# KiCad board ENV_KB_RGB.kicad_pcb (continued)
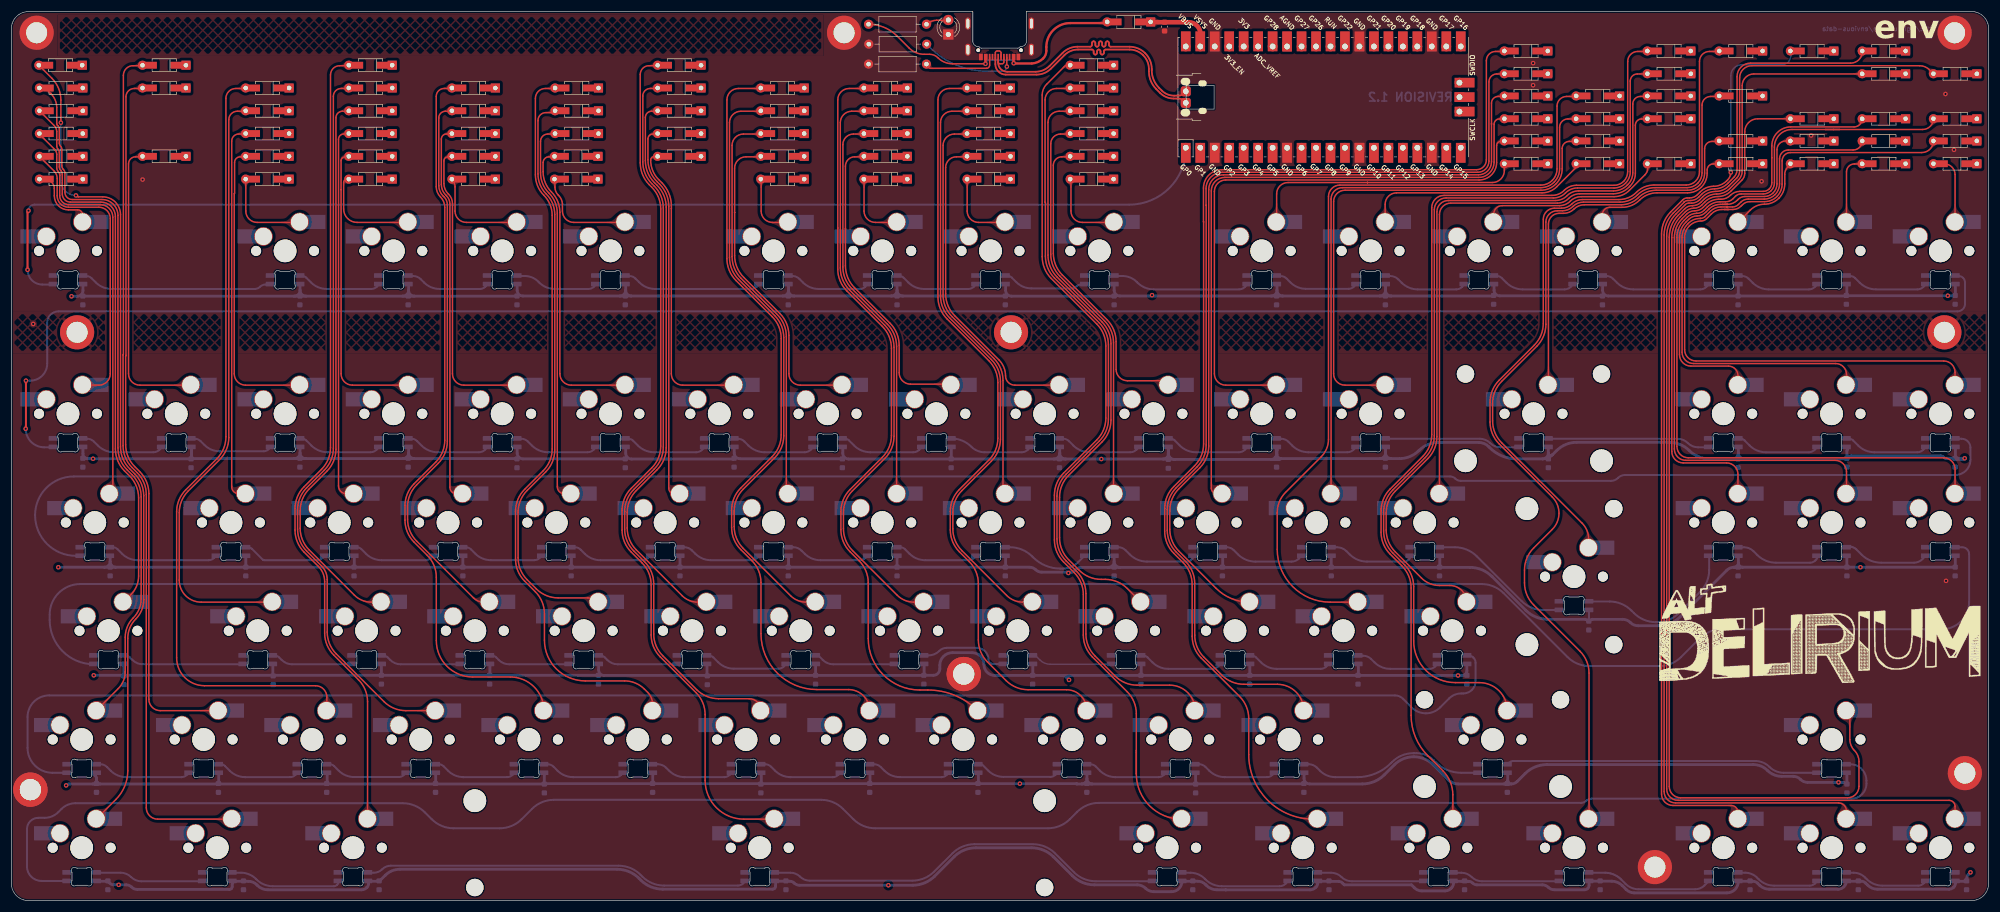
[diagram p0: board, top side]
## Routing (per net, layer and track width the routed paths; a pad name or vN(x,y) marks a point on that pad's centre or on a via; arc(x,y) is an arc through that point) (continued)
Net-(D45-Pad2): length 98.2
  Top w0.25: 250.62,71.45 250.62,120.48 arc(251.21,121.89) 252.62,122.48 271.33,122.48 arc(272.39,122.69) 273.3,123.29 arc(274.21,123.9) 275.28,124.11 281.1,124.11 arc(282.6,124.41) 283.86,125.26 284.08,125.47 arc(284.77,126.5) 285.01,127.71 285.01,136.16 arc(285.33,136.93) 286.1,137.25 287.19,137.25
Net-(D47-Pad2): length 89.9
  Top w0.25: 303.01,71.45 303.01,74.85 arc(302.42,76.27) 301.01,76.85 293.4,76.85 arc(291.99,77.44) 291.4,78.85 291.4,116.43 arc(291.79,118.4) 292.91,120.07 293.81,120.98 arc(294.48,121.42) 295.26,121.58 arc(296.04,121.73) 296.7,122.17 297.21,122.68 arc(298.26,123.38) 299.49,123.62 arc(300.72,123.87) 301.76,124.57 303.72,126.52 arc(304.07,127.06) 304.2,127.69 304.2,134.99 arc(304.87,136.61) 306.5,137.28 D47.2
Net-(D48-Pad2): length 120.3
  Top w0.25: 322.06,71.45 322.06,75.3 arc(321.47,76.72) 320.06,77.3 293.85,77.3 arc(292.44,77.89) 291.85,79.3 291.85,116.43 arc(292.21,118.23) 293.22,119.75 293.99,120.52 arc(294.66,120.97) 295.45,121.12 arc(296.25,121.28) 296.92,121.73 297.4,122.21 arc(298.44,122.91) 299.67,123.15 300.02,123.15 arc(300.92,123.33) 301.69,123.84 arc(302.45,124.35) 303.35,124.53 307.45,124.53 arc(308.03,124.64) 308.52,124.97 arc(308.84,125.46) 308.96,126.04 308.96,132.51 arc(309.93,134.87) 312.29,135.85 323.38,135.85 arc(324.39,136.27) D48.2
Net-(D49-Pad2): length 153.3
  Top w0.25: 320.81,135.4 319.81,135.4 arc(319.81,135.4) 319.81,135.4 ; 320.81,135.4 335.43,135.4 arc(336.76,135.95) D49.2 ; 320.81,135.4 318.37,135.4 ; 341.11,71.45 341.11,75.76 arc(340.52,77.17) 339.11,77.75 294.3,77.75 arc(292.89,78.34) 292.3,79.75 292.3,116.43 arc(292.62,118.06) 293.54,119.43 294.1,119.99 arc(294.86,120.5) 295.75,120.67 295.77,120.67 arc(296.47,120.81) 297.07,121.21 297.62,121.77 arc(298.65,122.46) 299.87,122.7 300.83,122.7 arc(301.54,122.84) 302.14,123.24 302.57,123.68 arc(303.02,123.97) 303.55,124.08 307.45,124.08 arc(308.2,124.23) 308.83,124.65 arc(309.26,125.29) 309.41,126.04 309.41,132.3 arc(310.31,134.49) 312.5,135.4 318.37,135.4 ; 318.37,135.4 319.81,135.4 ; 319.81,135.4 arc(319.81,135.4) 319.81,135.4
Net-(D50-Pad2): length 97.5
  Top w0.25: D50.2 7.51,136.09 arc(7.84,135.59) 7.96,135.01 7.96,132.49 arc(8.02,132.19) 8.18,131.95 arc(8.35,131.7) 8.41,131.4 8.41,128.83 arc(8.48,128.49) 8.67,128.2 arc(8.87,127.91) 8.93,127.56 8.93,124.06 arc(9.35,123.06) 10.34,122.65 15.71,122.65 arc(17.51,121.91) 18.25,120.11 18.25,79.31 arc(18.66,77.23) 19.84,75.46 20.73,74.57 arc(21.91,72.81) 22.32,70.73 22.32,56.99 arc(21.98,55.23) 20.98,53.75 19.64,52.41
Net-(D51-Pad2): length 106.4
  Top w0.25: 45.84,52.41 33.31,52.41 arc(30.58,53.54) 29.45,56.27 29.45,68.09 arc(29.86,70.17) 31.04,71.94 36.56,77.45 arc(37.74,79.22) 38.15,81.3 38.15,137.11 arc(38.59,138.16) 39.65,138.6 41.14,138.6
Net-(D52-Pad2): length 97.6
  Top w0.25: 59.24,138.6 58.1,138.6 arc(57.29,138.27) 56.96,137.46 56.96,79.24 arc(56.54,77.16) 55.36,75.39 52.27,72.3 arc(51.09,70.53) 50.68,68.45 50.68,65.41 arc(51.09,63.33) 52.27,61.56 60.2,53.63 arc(61.56,52.72) 63.16,52.41 64.89,52.41
Net-(D53-Pad2): length 96.7
  Top w0.25: 77.34,138.6 76.17,138.6 arc(75.35,138.26) 75.01,137.43 75.01,125.53 arc(75.2,124.56) 75.75,123.73 75.96,123.52 arc(76.37,122.92) 76.51,122.21 76.51,80.64 arc(76.09,78.56) 74.91,76.79 71.12,73 arc(69.94,71.23) 69.53,69.15 69.53,66.97 arc(69.94,64.89) 71.12,63.13 81.1,53.15 arc(81.92,52.6) 82.89,52.41
Net-(D54-Pad2): length 101.4
  Top w0.25: 95.2,138.37 93.81,138.37 arc(92.82,137.96) 92.41,136.97 92.41,127.61 arc(92.8,125.68) 93.89,124.05 arc(94.98,122.42) 95.36,120.49 95.36,79.12 arc(94.94,77.03) 93.76,75.27 90.52,72.02 arc(89.34,70.26) 88.92,68.18 88.92,60.18 arc(89.34,58.1) 90.52,56.34 92.11,54.75 arc(93.87,53.57) 95.95,53.16 101.17,53.16 arc(102.15,52.96) 102.99,52.41
Net-(D55-Pad2): length 98.6
  Top w0.25: 113.44,138.6 112.35,138.6 arc(111.58,138.28) 111.26,137.51 111.26,129.91 arc(111.68,127.83) 112.86,126.06 113.33,125.59 arc(114.5,123.83) 114.92,121.75 114.92,79.5 arc(114.5,77.42) 113.33,75.66 109.67,72 arc(108.49,70.23) 108.08,68.15 108.08,65.43 arc(108.49,63.35) 109.67,61.59 117.72,53.53 arc(118.97,52.7) 120.44,52.41 122.04,52.41
Net-(D56-Pad2): length 104.8
  Top w0.25: 141.09,52.41 139.48,52.41 arc(138,52.7) 136.74,53.54 128.44,61.84 arc(127.26,63.6) 126.85,65.68 126.85,68.4 arc(127.26,70.48) 128.44,72.25 133.96,77.76 arc(135.14,79.53) 135.55,81.61 135.55,98.88 arc(135.14,100.96) 133.96,102.73 127.62,109.06 arc(126.44,110.83) 126.02,112.91 126.02,136.6 arc(126.61,138.01) 128.02,138.6 131.54,138.6
Net-(D57-Pad2): length 103.6
  Top w0.25: 160.14,52.41 158.41,52.41 arc(156.81,52.72) 155.45,53.63 147.62,61.46 arc(146.44,63.23) 146.03,65.31 146.03,68.13 arc(146.44,70.21) 147.62,71.97 153.31,77.66 arc(154.49,79.43) 154.9,81.51 154.9,97.15 arc(154.49,99.24) 153.31,101 147.07,107.24 arc(145.89,109) 145.47,111.09 145.47,136.6 arc(146.06,138.01) 147.47,138.6 149.64,138.6
Net-(D58-Pad2): length 104.2
  Top w0.25: 167.74,138.6 165.06,138.6 arc(163.64,138.01) 163.06,136.6 163.06,106.18 arc(163.47,104.1) 164.65,102.33 171.98,95 arc(173.16,93.24) 173.57,91.15 173.57,81.01 arc(173.16,78.93) 171.98,77.16 166.82,72 arc(165.64,70.23) 165.22,68.15 165.22,65.28 arc(165.64,63.2) 166.82,61.44 174.67,53.58 arc(175.98,52.71) 177.52,52.41 179.19,52.41
Net-(D59-Pad2): length 104.9
  Top w0.25: 185.84,138.6 183.88,138.6 arc(182.49,138.03) 181.92,136.64 181.92,113.34 arc(182.33,111.26) 183.51,109.5 191.38,101.63 arc(192.56,99.86) 192.97,97.78 192.97,84.36 arc(192.56,82.28) 191.38,80.51 185.54,74.67 arc(184.36,72.91) 183.95,70.83 183.95,63.71 arc(184.36,61.63) 185.54,59.86 187.41,58 arc(189.17,56.82) 191.25,56.41 191.98,56.41 arc(194.06,55.99) 195.83,54.81 198.24,52.41
Net-(D60-Pad2): length 147.7
  Top w0.25: 262.09,141.2 260.92,141.2 arc(260.1,140.86) 259.76,140.03 259.76,136.37 arc(259.76,136.37) 259.76,136.37 259.76,129.74 arc(259.08,128.11) 257.46,127.44 212.71,127.44 arc(210.89,126.68) 210.13,124.86 210.13,79.82 arc(209.72,77.73) 208.54,75.97 204.89,72.32 arc(203.71,70.56) 203.3,68.48 203.3,65.21 arc(203.71,63.13) 204.89,61.36 211.42,54.83 arc(214.11,53.04) 217.29,52.41
Net-(D61-Pad2): length 143
  Top w0.25: 274.64,141.2 272.95,141.2 arc(271.75,140.71) 271.26,139.51 271.26,128.48 arc(271.04,127.39) 270.43,126.47 arc(269.5,125.85) 268.42,125.63 233.15,125.63 arc(231.74,125.05) 231.15,123.64 231.15,81 arc(230.82,79.35) 229.88,77.94 223.62,71.68 arc(222.53,70.05) 222.15,68.14 222.15,61.71 arc(224.88,55.13) 231.45,52.41 236.34,52.41
Net-(D62-Pad2): length 133
  Top w0.25: 287.19,141.2 285.87,141.2 arc(284.94,140.81) 284.56,139.89 284.56,127.79 arc(284.34,126.69) 283.72,125.76 283.57,125.61 arc(282.47,124.88) 281.18,124.62 275.06,124.62 arc(273.96,124.4) 273.02,123.77 arc(272.08,123.15) 270.97,122.93 252.17,122.93 arc(250.76,122.34) 250.17,120.93 250.17,81.46 arc(249.76,79.37) 248.58,77.61 242.87,71.9 arc(241.69,70.13) 241.27,68.05 241.27,65.08 arc(241.69,63) 242.87,61.24 247.47,56.63 arc(248.92,55.67) 250.62,55.33 252.46,55.33 arc(254.53,54.47) 255.39,52.41
Net-(D63-Pad2): length 114.1
  Top w0.25: 299.74,141.2 298.22,141.2 arc(297.15,140.76) 296.71,139.69 296.71,127.79 arc(296.51,126.8) 295.94,125.95 arc(295.1,125.38) 294.1,125.18 288.44,125.18 arc(286.78,124.85) 285.38,123.91 arc(283.97,122.98) 282.31,122.64 275.89,122.64 arc(274.9,122.45) 274.05,121.89 arc(273.21,121.32) 272.22,121.13 271.3,121.13 arc(269.88,120.54) 269.3,119.13 269.3,101.18 arc(268.89,99.1) 267.71,97.34 261.54,91.17 arc(260.36,89.41) 259.95,87.33 259.95,84.23 arc(260.36,82.15) 261.54,80.39 275.67,66.26 arc(276.5,65.01) 276.8,63.53 276.8,61.93
Net-(D64-Pad2): length 121.9
  Top w0.25: 14.88,33.35 18.76,37.24 arc(19.66,38.58) 19.97,40.16 19.97,46.25 arc(20.34,48.08) 21.37,49.63 arc(22.41,51.18) 22.77,53.01 22.77,70.91 arc(22.36,72.99) 21.18,74.76 20.29,75.65 arc(19.11,77.41) 18.7,79.5 18.7,120.3 arc(17.88,122.28) 15.9,123.1 10.68,123.1 arc(9.77,123.48) 9.39,124.39 9.39,127.74 arc(9.32,128.09) 9.12,128.38 arc(8.93,128.68) 8.86,129.02 8.86,131.92 arc(8.8,132.21) 8.63,132.46 arc(8.47,132.71) 8.41,133 8.41,135.51 arc(8.35,135.8) 8.18,136.05 8.03,136.2 arc(7.98,136.28) 7.96,136.38 7.96,139.23 arc(7.69,140.55) 6.95,141.67 D64.2
Net-(D65-Pad2): length 124.1
  Top w0.25: 36.31,33.35 26.13,33.35 arc(24.71,33.94) 24.13,35.35 24.13,71.47 arc(23.71,73.55) 22.53,75.32 21.64,76.21 arc(20.46,77.97) 20.05,80.05 20.05,95.6 arc(20.06,95.64) 20.08,95.67 arc(20.1,95.7) 20.11,95.74 20.11,141.13 arc(20.54,142.17) 21.57,142.6 23.04,142.6
Net-(D66-Pad2): length 138.5
  Top w0.25: 41.14,142.6 39.39,142.6 arc(38.16,142.09) 37.65,140.85 37.65,81.43 arc(37.23,79.35) 36.05,77.58 30.59,72.12 arc(29.41,70.36) 29,68.28 29,42.62 arc(30.43,39.17) 33.89,37.73 53.36,37.73 arc(54.77,37.15) 55.36,35.74 55.36,33.35
Net-(D67-Pad2): length 127.1
  Top w0.25: 59.24,142.6 57.87,142.6 arc(56.91,142.2) 56.51,141.23 56.51,79.43 arc(56.09,77.35) 54.91,75.58 51.82,72.49 arc(50.64,70.72) 50.22,68.64 50.22,65.22 arc(50.64,63.14) 51.82,61.37 54.45,58.74 arc(55.17,57.66) 55.43,56.39 55.43,47.16 arc(55.84,45.08) 57.02,43.31 65.38,34.95 arc(67.15,33.77) 69.23,33.35 74.41,33.35
Net-(D68-Pad2): length 129.7
  Top w0.25: 77.34,142.6 75.95,142.6 arc(74.97,142.19) 74.56,141.21 74.56,125.35 arc(74.75,124.37) 75.31,123.54 arc(75.86,122.71) 76.06,121.73 76.06,80.83 arc(75.64,78.75) 74.46,76.98 70.67,73.19 arc(69.49,71.42) 69.07,69.34 69.07,66.79 arc(69.49,64.71) 70.67,62.94 72.98,60.63 arc(74.16,58.86) 74.57,56.78 74.57,45.66 arc(76.45,41.14) 80.97,39.27 87.55,39.27 arc(91.73,37.53) 93.46,33.35
Net-(D69-Pad2): length 129.3
  Top w0.25: 95.44,142.6 93.7,142.6 arc(92.47,142.09) 91.96,140.86 91.96,127.42 arc(92.35,125.49) 93.44,123.86 arc(94.53,122.23) 94.91,120.31 94.91,79.3 arc(94.49,77.22) 93.31,75.46 90.07,72.21 arc(88.89,70.44) 88.47,68.36 88.47,59.96 arc(88.89,57.88) 90.07,56.11 91.96,54.22 arc(93.14,52.46) 93.55,50.38 93.55,45.74 arc(95.65,40.68) 100.71,38.58 107.63,38.58 arc(109.5,38.21) 111.08,37.15 111.67,36.56 arc(112.29,35.63) 112.51,34.54
Net-(D70-Pad2): length 128.4
  Top w0.25: 113.44,142.6 112.13,142.6 arc(111.2,142.22) 110.81,141.29 110.81,129.73 arc(111.23,127.64) 112.41,125.88 112.82,125.47 arc(114,123.7) 114.41,121.62 114.41,79.63 arc(114,77.55) 112.82,75.78 109.22,72.19 arc(108.04,70.42) 107.62,68.34 107.62,65.25 arc(108.04,63.17) 109.22,61.4 111.13,59.49 arc(112.31,57.72) 112.72,55.64 112.72,46.83 arc(113.14,44.75) 114.32,42.99 120.26,37.05 arc(122.02,35.87) 124.1,35.45 129.46,35.45 arc(130.95,34.84) 131.56,33.35
Net-(D71-Pad2): length 135.9
  Top w0.25: 131.54,142.6 127.57,142.6 arc(126.16,142.01) 125.57,140.6 125.57,112.72 arc(125.99,110.64) 127.17,108.88 133.51,102.54 arc(134.69,100.77) 135.1,98.69 135.1,81.8 arc(134.69,79.71) 133.51,77.95 127.99,72.44 arc(126.81,70.67) 126.4,68.59 126.4,65.5 arc(126.81,63.42) 127.99,61.65 129.96,59.69 arc(131.14,57.92) 131.55,55.84 131.55,46.88 arc(134.43,39.94) 141.37,37.06 146.91,37.06 arc(149.53,35.97) 150.61,33.35
Net-(D72-Pad2): length 133.8
  Top w0.25: 149.64,142.6 147.03,142.6 arc(145.61,142.01) 145.03,140.6 145.03,118.1 145.02,110.9 arc(145.44,108.82) 146.62,107.05 152.86,100.81 arc(154.04,99.05) 154.45,96.97 154.45,81.7 arc(154.04,79.61) 152.86,77.85 147.17,72.16 arc(145.99,70.39) 145.57,68.31 145.57,65.12 arc(145.99,63.04) 147.17,61.27 148.78,59.66 arc(149.96,57.9) 150.38,55.81 150.38,46.04 arc(153.03,39.63) 159.44,36.98 160.85,36.98 arc(165.57,36.04) K_72.2
Net-(D73-Pad2): length 135.1
  Top w0.25: 167.74,142.6 164.61,142.6 arc(163.19,142.01) 162.61,140.6 162.61,105.99 arc(163.02,103.91) 164.2,102.14 171.53,94.81 arc(172.71,93.05) 173.12,90.97 173.12,81.2 arc(172.71,79.11) 171.53,77.35 166.37,72.19 arc(165.19,70.42) 164.77,68.34 164.77,65.1 arc(165.19,63.02) 166.37,61.25 168.11,59.51 arc(169.29,57.75) 169.7,55.66 169.7,45.76 arc(170.11,43.68) 171.29,41.91 174.58,38.62 arc(176.35,37.44) 178.43,37.03 185.15,37.03 arc(187.67,35.99) 188.71,33.47
Net-(D74-Pad2): length 134.7
  Top w0.25: 185.84,142.6 183.41,142.6 arc(181.99,142.01) 181.41,140.6 181.41,122.66 arc(181.42,122.62) 181.44,122.59 arc(181.46,122.56) 181.47,122.52 181.47,113.16 arc(181.88,111.08) 183.06,109.31 190.93,101.44 arc(192.11,99.67) 192.52,97.59 192.52,84.55 arc(192.11,82.46) 190.93,80.7 185.09,74.86 arc(183.91,73.09) 183.5,71.01 183.5,63.51 arc(183.91,61.43) 185.09,59.66 186.98,57.77 arc(188.16,56.01) 188.58,53.93 188.58,46.81 arc(188.99,44.73) 190.17,42.96 193.71,39.42 arc(195.47,38.24) 197.55,37.83 203.29,37.83 arc(206.45,36.52) 207.76,33.35
Net-(D75-Pad2): length 178.4
  Top w0.25: 262.09,145.15 260.7,145.15 arc(259.72,144.74) 259.31,143.76 259.31,129.85 arc(258.73,128.46) 257.35,127.89 212.56,127.89 arc(210.51,127.04) 209.66,124.99 209.66,122.11 arc(209.66,122.1) 209.67,122.08 arc(209.68,122.07) 209.68,122.05 209.68,80 arc(209.27,77.92) 208.09,76.16 204.44,72.51 arc(203.26,70.74) 202.85,68.66 202.85,65.02 arc(203.26,62.94) 204.44,61.17 206.08,59.54 arc(207.26,57.77) 207.68,55.69 207.68,46.61 arc(208.09,44.53) 209.27,42.76 212.46,39.57 arc(214.22,38.39) 216.3,37.98 222.19,37.98 arc(225.46,36.63) 226.81,33.35
Net-(D76-Pad2): length 160.9
  Top w0.25: 286.61,145.15 285.36,145.15 arc(284.47,144.78) 284.11,143.9 284.11,127.98 arc(283.89,126.89) 283.27,125.96 arc(282.34,125.34) 281.25,125.13 274.85,125.13 arc(273.71,124.9) 272.74,124.25 arc(271.76,123.6) 270.62,123.38 251.78,123.38 arc(250.33,122.77) 249.72,121.32 249.72,81.64 arc(249.31,79.56) 248.13,77.8 242.42,72.09 arc(241.24,70.32) 240.82,68.24 240.82,64.9 arc(241.24,62.82) 242.42,61.05 244.51,58.96 arc(245.69,57.2) 246.1,55.11 246.1,45.59 arc(248.24,40.42) 253.41,38.28 257.6,38.28 arc(261.09,36.84) 262.53,33.35
Net-(D77-Pad2): length 200.4
  Top w0.25: 322.65,32.07 322.65,28.29 arc(322.86,27.24) 323.45,26.35 arc(324.04,25.47) 324.25,24.42 324.25,20.05 arc(323.66,18.64) 322.25,18.06 292.95,18.06 arc(291.54,18.64) 290.95,20.05 290.95,116.49 arc(291.36,118.58) 292.54,120.34 293.68,121.48 arc(294.29,121.88) 295,122.03 295.07,122.03 arc(295.85,122.18) 296.52,122.62 297.03,123.13 arc(298.07,123.83) 299.3,124.07 arc(300.53,124.32) 301.58,125.02 303.12,126.56 arc(303.59,127.26) 303.75,128.08 303.75,143.1 arc(304.35,144.55) 305.8,145.15 324.84,145.15
Net-(D78-Pad2): length 145.6
  Top w0.25: D78.2 7.09,144.41 arc(8.27,142.64) 8.68,140.56 v1(8.68,136.58) ; 14.88,14.31 18.34,17.77 arc(19.88,20.08) 20.42,22.8 20.42,46.06 arc(20.79,47.89) 21.83,49.44 arc(22.86,50.99) 23.23,52.82 23.23,71.1 arc(22.81,73.18) 21.63,74.95 20.74,75.83 arc(19.56,77.6) 19.15,79.68 19.15,120.45 arc(18.24,122.66) 16.03,123.57 11.76,123.57 arc(11.59,123.6) 11.45,123.7 v1(11.33,123.82)
  Bottom w0.25: v1(8.68,136.58) 8.67,136.57 arc(8.66,136.56) 8.66,136.54 8.66,126.49 arc(9.44,124.61) v1(11.33,123.82)
Net-(D79-Pad2): length 150.3
  Top w0.25: 38.69,14.31 25.68,14.31 arc(24.26,14.89) 23.68,16.3 23.68,71.29 arc(23.26,73.37) 22.08,75.13 21.19,76.02 arc(20.01,77.79) 19.6,79.87 19.6,95.79 arc(19.61,95.83) 19.63,95.86 arc(19.65,95.89) 19.66,95.93 19.66,144.91 arc(20.15,146.1) 21.35,146.6 23.04,146.6
Net-(D80-Pad2): length 141.4
  Top w0.25: 59.24,146.6 57.62,146.6 arc(56.48,146.13) 56,144.98 56,79.56 arc(55.59,77.48) 54.41,75.71 51.37,72.67 arc(50.19,70.91) 49.77,68.82 49.77,65.04 arc(50.19,62.95) 51.37,61.19 53.88,58.67 arc(54.69,57.46) 54.97,56.04 54.97,46.97 arc(55.39,44.89) 56.57,43.12 60.91,38.78 arc(62.09,37.02) 62.5,34.94 62.5,14.31
Net-(D81-Pad2): length 152.4
  Top w0.25: 133.94,14.31 128.56,14.31 arc(123.74,16.3) 121.75,21.11 121.75,32.66 arc(121.34,34.75) 120.16,36.51 113.87,42.8 arc(112.69,44.57) 112.27,46.65 112.27,55.45 arc(111.86,57.54) 110.68,59.3 108.77,61.21 arc(107.59,62.98) 107.17,65.06 107.17,68.52 arc(107.59,70.61) 108.77,72.37 112.37,75.97 arc(113.55,77.74) 113.96,79.82 113.96,121.43 arc(113.55,123.52) 112.37,125.28 111.96,125.69 arc(110.78,127.46) 110.36,129.54 110.36,145.06 arc(110.81,146.15) 111.9,146.6 113.44,146.6
Net-(D82-Pad2): length 155.8
  Top w0.25: 197.43,22.26 197.43,26.35 ; 197.43,22.26 197.43,26.35 ; 197.43,22.26 arc(199.75,16.63) 205.38,14.31 ; D82.2 185.35,146.69 arc(185.06,146.63) 184.81,146.46 181.68,143.33 arc(181.1,142.47) 180.9,141.45 180.9,113.08 arc(181.32,111) 182.49,109.24 190.48,101.25 arc(191.66,99.48) 192.07,97.4 192.07,84.73 arc(191.66,82.65) 190.48,80.88 184.64,75.05 arc(183.46,73.28) 183.05,71.2 183.05,63.32 arc(183.46,61.24) 184.64,59.47 186.53,57.59 arc(187.71,55.82) 188.12,53.74 188.12,46.62 arc(188.54,44.54) 189.72,42.77 195.83,36.66 arc(197.01,34.9) 197.43,32.81 197.43,26.35
Net-(D83-Pad2): length 198.9
  Top w0.25: 262.09,149.1 260.47,149.1 arc(259.33,148.63) 258.86,147.49 258.86,130.08 arc(258.35,128.85) 257.11,128.34 212.43,128.34 arc(210.15,127.39) 209.21,125.12 209.21,119.21 arc(209.21,119.19) 209.22,119.18 arc(209.23,119.16) 209.23,119.15 209.23,80.19 arc(208.82,78.11) 207.64,76.34 203.99,72.7 arc(202.81,70.93) 202.4,68.85 202.4,64.84 arc(202.81,62.75) 203.99,60.99 205.63,59.35 arc(206.81,57.59) 207.22,55.5 207.22,46.42 arc(207.64,44.34) 208.82,42.57 215.56,35.84 arc(216.74,34.07) 217.15,31.99 217.15,25.67 arc(220.48,17.63) 228.51,14.31
Net-(D84-Pad2): length 175.9
  Top w0.25: 287.19,149.1 285.42,149.1 arc(284.17,148.58) 283.66,147.33 283.66,127.99 arc(283.48,127.08) 282.96,126.3 arc(282.18,125.78) 281.27,125.6 274.66,125.6 arc(273.5,125.37) 272.52,124.71 arc(271.54,124.06) 270.38,123.83 251.43,123.83 arc(249.9,123.19) 249.27,121.67 249.27,81.83 arc(248.86,79.75) 247.68,77.98 241.97,72.27 arc(240.79,70.51) 240.37,68.42 240.37,64.68 arc(240.79,62.6) 241.97,60.84 244.06,58.75 arc(245.24,56.98) 245.65,54.9 245.65,32.53 arc(246.42,28.69) 248.6,25.42 251.23,22.78 arc(252.52,20.86) 252.97,18.58 K_84.2
Net-(D85-Pad2): length 174.4
  Top w0.25: 299.74,149.1 298,149.1 arc(296.77,148.59) 296.26,147.36 296.26,127.98 arc(295.58,126.33) 293.93,125.65 288.28,125.65 arc(286.61,125.32) 285.2,124.37 arc(283.78,123.43) 282.11,123.1 275.7,123.1 arc(274.71,122.9) 273.87,122.34 arc(273.03,121.77) 272.03,121.58 270.79,121.58 arc(269.42,121.01) 268.85,119.63 268.85,101.37 arc(268.44,99.29) 267.26,97.52 261.09,91.36 arc(259.91,89.59) 259.5,87.51 259.5,84.05 arc(259.91,81.97) 261.09,80.2 270.42,70.87 arc(271.29,69.57) 271.6,68.02 arc(271.29,66.48) 270.42,65.17 267.14,61.9 arc(265.96,60.13) 265.55,58.05 265.55,55.78 arc(265.96,53.7) 267.14,51.94 275.28,43.8 arc(276.46,42.03) 276.88,39.95 276.88,14.36
Net-(D86-Pad2): length 161.5
  Top w0.25: v1(301.76,127.87) arc(301.62,127.17) 301.22,126.57 301.03,126.38 arc(299.97,125.67) 298.72,125.43 arc(297.48,125.18) 296.42,124.47 295.91,123.96 arc(295.26,123.53) 294.49,123.38 294.1,123.38 arc(293.69,123.29) 293.35,123.06 291.19,120.91 arc(290.01,119.14) 289.6,117.06 289.6,18.7 arc(290.19,17.29) 291.6,16.7 301.81,16.7 arc(302.66,16.35) 303.01,15.5
  Bottom w0.25: v1(301.76,127.87) 301.76,144.85 arc(302.32,146.2) 303.67,146.76 310.69,146.76 arc(311.82,147.23) 312.29,148.36 312.29,149.1
Net-(D87-Pad2): length 191.1
  Top w0.25: 324.84,149.1 arc(324.24,147.65) 322.79,147.05 305.22,147.05 arc(303.55,146.36) 302.85,144.68 302.85,128.34 arc(302.71,127.62) 302.3,127.02 301.21,125.92 arc(300.16,125.22) 298.92,124.97 arc(297.69,124.73) 296.64,124.03 296.13,123.52 arc(295.47,123.08) 294.69,122.93 294.22,122.93 arc(293.87,122.86) 293.58,122.66 arc(293.58,122.65) 293.57,122.65 arc(293.57,122.65) 293.57,122.64 291.64,120.71 arc(290.46,118.95) 290.05,116.87 290.05,19.15 arc(290.64,17.74) 292.05,17.15 320.64,17.15 arc(321.64,16.74) 322.06,15.73
Net-(D88-Pad2): length 221.1
  Top w0.25: 341.11,15.49 341.11,16.55 arc(340.8,17.3) 340.06,17.6 292.5,17.6 arc(291.09,18.19) 290.5,19.6 290.5,116.68 arc(290.91,118.76) 292.09,120.53 293.78,122.21 arc(294.07,122.41) 294.41,122.48 294.88,122.48 arc(295.66,122.63) 296.31,123.07 296.82,123.58 arc(297.87,124.28) 299.11,124.52 arc(300.35,124.77) 301.39,125.47 302.79,126.87 arc(303.17,127.43) 303.3,128.1 303.3,144.46 arc(303.93,145.97) 305.44,146.6 334.89,146.6 arc(335.82,146.41) 336.61,145.89 D88.2
Net-(LED1-Pad2): length 33.3
  Bottom w0.35: 45.46,108.17 44.57,108.17 arc(44.07,108.07) 43.64,107.78 arc(43.21,107.5) 42.71,107.4 17.57,107.4 arc(16.08,107.69) 14.82,108.53 14.08,109.27 arc(13.64,109.57) 13.12,109.67
Net-(LED2-Pad2): length 14.4
  Bottom w0.35: 64.51,108.17 64.12,107.78 arc(63.69,107.5) 63.19,107.4 55.34,107.4 arc(53.85,107.69) 52.59,108.53 51.74,109.39 arc(51.43,109.6) 51.06,109.67
Net-(LED3-Pad2): length 14.8
  Bottom w0.35: 69.71,109.67 70.5,109.67 arc(71.22,109.53) 71.84,109.11 72.42,108.53 arc(73.68,107.69) 75.17,107.4 82.24,107.4 arc(82.74,107.5) 83.17,107.78 83.56,108.17
Net-(LED4-Pad2): length 14.7
  Bottom w0.35: 102.61,108.17 102.22,107.78 arc(101.79,107.5) 101.29,107.4 95.37,107.4 arc(93.88,107.69) 92.62,108.53 92.45,108.71 arc(91.38,109.42) 90.12,109.67 88.76,109.67
Net-(LED5-Pad2): length 24.3
  Bottom w0.35: 107.81,109.67 108.45,109.67 arc(109.04,109.55) 109.54,109.22 110.22,108.53 arc(111.48,107.69) 112.97,107.4 129.86,107.4 arc(130.37,107.5) 130.8,107.78 131.18,108.17
Net-(LED6-Pad2): length 14.8
  Bottom w0.35: 150.23,108.17 149.85,107.78 arc(149.42,107.5) 148.91,107.4 141.67,107.4 arc(140.18,107.69) 138.92,108.53 138.28,109.17 arc(137.73,109.54) 137.09,109.67 136.38,109.67
Net-(LED7-Pad2): length 14.4
  Bottom w0.35: 169.28,108.17 168.9,107.78 arc(168.47,107.5) 167.96,107.4 160.17,107.4 arc(158.68,107.69) 157.42,108.53 156.59,109.37 arc(156.25,109.59) 155.86,109.67
Net-(LED8-Pad2): length 14.3
  Bottom w0.35: 188.33,108.17 187.7,108.17 arc(187.26,108.08) 186.89,107.83 arc(186.52,107.59) 186.08,107.5 178.99,107.5 arc(177.57,107.78) 176.37,108.58 175.57,109.39 arc(175.25,109.6) 174.88,109.67
Net-(LED10-Pad2): length 14.2
  Bottom w0.35: 235.96,108.17 235.58,107.8 arc(235.17,107.52) 234.68,107.42 227.19,107.42 arc(225.72,107.71) 224.47,108.55 223.79,109.23 arc(223.3,109.56) 222.73,109.67
Net-(LED10-Pad4): length 24.3
  Bottom w0.35: 216.91,108.17 216.49,107.75 arc(216.02,107.43) 215.47,107.33 200.48,107.33 arc(198.94,107.63) 197.64,108.5 197.51,108.63 arc(196.36,109.4) 195,109.67 193.53,109.67
Net-(LED11-Pad2): length 14.9
  Bottom w0.35: 241.16,109.67 241.99,109.67 arc(242.75,109.52) 243.4,109.08 243.99,108.5 arc(245.28,107.63) 246.82,107.33 253.57,107.33 arc(254.12,107.43) 254.59,107.75 255.01,108.17
Net-(LED12-Pad2): length 14.4
  Bottom w0.35: 274.06,108.17 273.64,107.75 arc(273.17,107.43) 272.62,107.33 265.22,107.33 arc(263.68,107.63) 262.39,108.5 261.57,109.31 arc(261.17,109.58) 260.71,109.67
Net-(LED13-Pad2): length 19.6
  Bottom w0.35: 297.87,108.17 297.45,107.75 arc(296.98,107.43) 296.43,107.33 284.62,107.33 arc(283.08,107.63) 281.79,108.5 281.09,109.19 arc(280.56,109.55) 279.94,109.67 279.26,109.67
Net-(LED14-Pad2): length 14.9
  Bottom w0.35: 303.07,109.67 303.74,109.67 arc(304.36,109.55) 304.89,109.2 305.59,108.5 arc(306.88,107.63) 308.42,107.33 315.48,107.33 arc(316.03,107.43) 316.5,107.75 316.92,108.17
Net-(LED15-Pad2): length 14.3
  Bottom w0.35: 335.97,108.17 335.55,107.75 arc(335.08,107.43) 334.53,107.33 327.22,107.33 arc(325.68,107.63) 324.39,108.5 323.6,109.28 arc(323.17,109.57) 322.67,109.67
Net-(LED16-Pad2): length 371.8
  Top w0.35: v1(2.55,91.29) 2.55,82.93 arc(2.55,82.9) 2.53,82.87 v1(2.51,82.85)
  Bottom w0.35: 7.36,79.59 5.76,79.59 arc(3.46,80.55) v1(2.51,82.85) ; v1(2.55,91.29) 3.3,91.29 arc(5.41,92.17) 6.28,94.28 6.28,101.47 arc(6.87,102.88) 8.28,103.47 341.54,103.47 arc(342.47,103.85) 342.86,104.78 342.86,108.53 arc(342.77,108.96) 342.52,109.33 arc(342.15,109.58) 341.71,109.67
Net-(LED17-Pad2): length 14.9
  Bottom w0.35: 12.56,81.09 13.27,81.09 arc(13.93,80.96) 14.49,80.59 15.17,79.91 arc(16.49,79.03) 18.03,78.73 24.92,78.73 arc(25.49,78.84) 25.97,79.16 26.41,79.59
Net-(LED18-Pad2): length 14.2
  Bottom w0.35: 45.46,79.59 45.11,79.25 arc(44.73,78.99) 44.27,78.9 36.54,78.9 arc(35.1,79.19) 33.89,80 33.21,80.68 arc(32.74,80.99) 32.2,81.09
Net-(LED19-Pad2): length 14.5
  Bottom w0.35: 64.51,79.59 64.07,79.16 arc(63.59,78.84) 63.02,78.73 55.5,78.73 arc(53.96,79.03) 52.64,79.91 51.74,80.81 arc(51.43,81.02) 51.06,81.09
Net-(LED20-Pad2): length 14.4
  Bottom w0.35: 83.56,79.59 83.12,79.16 arc(82.64,78.84) 82.07,78.73 74.83,78.73 arc(73.29,79.03) 71.97,79.91 71.17,80.71 arc(70.75,81) 70.25,81.09
Net-(LED21-Pad2): length 14.9
  Bottom w0.35: 102.61,79.59 102.17,79.16 arc(101.69,78.84) 101.12,78.73 94.21,78.73 arc(92.66,79.03) 91.35,79.91 90.66,80.6 arc(90.11,80.97) 89.46,81.09 88.76,81.09
Net-(LED22-Pad2): length 14.4
  Bottom w0.35: 121.66,79.59 121.22,79.16 arc(120.74,78.84) 120.17,78.73 112.81,78.73 arc(111.26,79.03) 109.95,79.91 109.1,80.76 arc(108.73,81.01) 108.29,81.09
Net-(LED23-Pad2): length 14.9
  Bottom w0.35: 126.86,81.09 127.51,81.09 arc(128.11,80.98) 128.62,80.63 129.35,79.91 arc(130.66,79.03) 132.21,78.73 139.22,78.73 arc(139.79,78.84) 140.27,79.16 140.71,79.59
Net-(LED24-Pad2): length 14.5
  Bottom w0.35: 159.76,79.59 159.32,79.16 arc(158.84,78.84) 158.27,78.73 150.75,78.73 arc(149.21,79.03) 147.89,79.91 146.99,80.81 arc(146.68,81.02) 146.31,81.09
Net-(LED25-Pad2): length 14.8
  Bottom w0.35: 178.81,79.59 178.37,79.16 arc(177.89,78.84) 177.32,78.73 170.8,78.73 arc(169.55,78.97) 168.48,79.69 arc(166.85,80.77) 164.93,81.16 LED25.2
Net-(LED26-Pad2): length 14.3
  Bottom w0.35: 197.86,79.59 197.42,79.16 arc(196.94,78.84) 196.37,78.73 189.23,78.73 arc(187.69,79.03) 186.37,79.91 185.61,80.68 arc(185.14,80.99) 184.6,81.09
Net-(LED27-Pad2): length 14.5
  Bottom w0.35: 216.91,79.59 216.47,79.16 arc(215.99,78.84) 215.42,78.73 207.9,78.73 arc(206.36,79.03) 205.04,79.91 204.14,80.81 arc(203.83,81.02) 203.46,81.09
Net-(LED28-Pad2): length 14.9
  Bottom w0.35: 222.11,81.09 222.85,81.09 arc(223.53,80.96) 224.11,80.57 224.77,79.91 arc(226.09,79.03) 227.63,78.73 234.47,78.73 arc(235.04,78.84) 235.52,79.16 235.96,79.59
Net-(LED29-Pad2): length 23.8
  Bottom w0.35: 241.16,81.09 257.7,81.09 arc(258.68,80.9) 259.51,80.34 arc(260.34,79.79) 261.32,79.59 264.53,79.59
Net-(LED30-Pad2): length 28.5
  Bottom w0.35: 297.87,79.59 296.02,79.59 arc(295.04,79.79) 294.21,80.34 arc(293.38,80.9) 292.4,81.09 269.73,81.09
Net-(LED31-Pad2): length 14.5
  Bottom w0.35: 316.92,79.59 316.49,79.16 arc(316,78.84) 315.44,78.73 307.92,78.73 arc(306.37,79.03) 305.06,79.91 304.15,80.81 arc(303.84,81.02) 303.47,81.09
Net-(LED32-Pad2): length 14.5
  Bottom w0.35: 335.97,79.59 335.54,79.16 arc(335.05,78.84) 334.49,78.73 326.97,78.73 arc(325.42,79.03) 324.11,79.91 323.2,80.81 arc(322.89,81.02) 322.52,81.09
Net-(LED33-Pad2): length 363.2
  Bottom w0.35: 341.17,81.09 342.25,81.09 arc(343.35,80.64) 343.81,79.54 343.81,77.38 arc(343.03,75.51) 341.16,74.73 283.21,74.73 arc(282.54,74.6) 281.97,74.22 arc(281.39,73.83) 280.72,73.7 254.35,73.7 arc(253.85,73.8) 253.41,74.09 arc(252.98,74.38) 252.47,74.48 10.96,74.48 arc(6.15,72.49) 4.16,67.68 arc(6.25,62.63) 11.29,60.54 12.12,60.54
Net-(LED34-Pad2): length 19.1
  Bottom w0.35: 35.93,60.54 35.55,60.16 arc(35.12,59.87) 34.61,59.77 22.17,59.77 arc(20.68,60.07) 19.42,60.91 18.63,61.7 arc(18.25,61.96) 17.8,62.04
Net-(LED35-Pad2): length 14.6
  Bottom w0.35: 54.98,60.54 54.6,60.16 arc(54.17,59.87) 53.66,59.77 44.32,59.77 arc(44.29,59.78) 44.26,59.8 arc(44.24,59.81) 44.2,59.82 44.2,59.82 arc(44.16,59.83) 44.13,59.85 42.22,61.76 arc(41.9,61.97) 41.53,62.04
Net-(LED36-Pad2): length 14.4
  Bottom w0.35: 74.03,60.54 73.65,60.16 arc(73.22,59.87) 72.71,59.77 64.97,59.77 arc(63.48,60.07) 62.22,60.91 61.4,61.73 arc(61.05,61.96) 60.63,62.04
Net-(LED37-Pad2): length 14.3
  Bottom w0.35: 93.08,60.54 92.7,60.16 arc(92.27,59.87) 91.76,59.77 84.17,59.77 arc(82.68,60.07) 81.42,60.91 80.66,61.67 arc(80.24,61.95) 79.76,62.04
Net-(LED38-Pad2): length 14.2
  Bottom w0.35: 112.13,60.54 111.75,60.16 arc(111.32,59.87) 110.81,59.77 103.37,59.77 arc(101.88,60.07) 100.62,60.91 99.91,61.62 arc(99.44,61.93) 98.88,62.04
Net-(LED39-Pad2): length 14.8
  Bottom w0.35: 117.33,62.04 118.11,62.04 arc(118.83,61.9) 119.43,61.5 120.02,60.91 arc(121.28,60.07) 122.77,59.77 129.86,59.77 arc(130.37,59.87) 130.8,60.16 131.18,60.54
Net-(LED40-Pad2): length 14.8
  Bottom w0.35: 150.23,60.54 149.85,60.16 arc(149.42,59.87) 148.91,59.77 141.97,59.77 arc(140.48,60.07) 139.22,60.91 138.69,61.44 arc(138.02,61.89) 137.23,62.04 136.38,62.04
Net-(LED41-Pad2): length 14.3
  Bottom w0.35: 169.28,60.54 168.9,60.16 arc(168.47,59.87) 167.96,59.77 160.37,59.77 arc(158.88,60.07) 157.62,60.91 156.86,61.67 arc(156.44,61.95) 155.96,62.04
Net-(LED42-Pad2): length 15.6
  Bottom w0.35: 174.48,62.04 175.26,62.04 arc(177.37,61.63) 179.16,60.43 179.31,60.27 arc(181.5,58.81) 184.08,58.3 184.5,58.3 arc(185.97,58.59) 187.21,59.42 188.33,60.54
Net-(LED43-Pad2): length 15
  Bottom w0.35: 193.53,62.04 194.27,62.04 arc(194.96,61.91) 195.54,61.52 196.27,60.79 arc(197.67,59.85) 199.31,59.53 206.34,59.53 arc(206.74,59.6) 207.08,59.83 207.24,59.99 arc(207.35,60.15) 207.38,60.34
Net-(LED44-Pad2): length 15
  Bottom w0.35: 212.58,62.04 213.3,62.04 arc(213.96,61.91) 214.52,61.54 215.27,60.79 arc(216.67,59.85) 218.31,59.53 224.69,59.53 arc(225.36,59.66) 225.92,60.04 226.43,60.54
Net-(LED45-Pad2): length 15
  Bottom w0.35: 231.63,62.04 232.62,62.04 arc(233.54,61.86) 234.31,61.34 234.87,60.79 arc(236.27,59.85) 237.91,59.53 244.44,59.53 arc(244.84,59.6) 245.18,59.83 245.34,59.99 arc(245.45,60.15) 245.48,60.34
Net-(LED46-Pad2): length 25.1
  Bottom w0.35: 271.66,51.02 268.87,51.02 arc(266.79,51.43) 265.02,52.61 257.18,60.45 arc(255.42,61.63) 253.34,62.04 250.68,62.04
Net-(LED47-Pad2): length 29.2
  Bottom w0.35: 276.86,52.52 280.47,52.52 arc(282.56,52.11) 284.32,50.93 284.76,50.48 arc(286.53,49.3) 288.61,48.89 288.8,48.89 arc(290.88,49.3) 292.65,50.48 296.36,54.2 arc(297.54,55.97) 297.96,58.05 297.96,60.46
Net-(LED48-Pad2): length 15.4
  Bottom w0.35: 316.92,60.54 316.92,60.3 arc(316.88,60.08) 316.75,59.89 316.55,59.7 arc(316.15,59.43) 315.67,59.33 309.68,59.33 arc(307.9,59.68) 306.4,60.69 305.74,61.35 arc(304.97,61.86) 304.06,62.04 303.07,62.04
Net-(LED49-Pad2): length 16.6
  Bottom w0.25: 322.12,62.04 322.86,62.04 arc(323.37,61.94) 323.8,61.66
  Bottom w0.35: 335.97,60.54 335.36,59.94 arc(334.69,59.49) 333.9,59.33 328.15,59.33 arc(326.28,59.7) 324.69,60.76 323.8,61.66 arc(323.2,62.06) 322.5,62.2
Net-(LED50-Pad2): length 375
  Bottom w0.35: 341.17,62.04 342.36,62.04 arc(343.22,61.69) 343.58,60.82 343.58,52.46 arc(342.17,49.05) 338.77,47.64 300.16,47.64 arc(298.07,47.23) 296.31,46.05 293.04,42.78 arc(291.28,41.6) 289.19,41.19 276.94,41.19 arc(274.85,41.6) 273.09,42.78 261.88,53.99 arc(260.11,55.17) 258.03,55.59 12.09,55.59 arc(8.29,54.01) 6.72,50.21 6.72,49.28 arc(9,43.77) 14.5,41.5
Net-(LED51-Pad2): length 21.1
  Bottom w0.35: 40.7,41.5 23.06,41.5 arc(22.08,41.69) 21.25,42.25 20.78,42.71 arc(20.47,42.92) 20.1,43
Net-(LED52-Pad2): length 13.9
  Bottom w0.35: 59.75,41.5 49.26,41.5 arc(48.28,41.69) 47.45,42.25 46.98,42.71 arc(46.67,42.92) 46.3,43
Net-(LED53-Pad2): length 13.9
  Bottom w0.35: 78.8,41.5 68.31,41.5 arc(67.33,41.69) 66.5,42.25 66.03,42.71 arc(65.72,42.92) 65.35,43
Net-(LED54-Pad2): length 13.9
  Bottom w0.35: 97.85,41.5 87.36,41.5 arc(86.38,41.69) 85.55,42.25 85.08,42.71 arc(84.77,42.92) 84.4,43
Net-(LED55-Pad2): length 13.9
  Bottom w0.35: 116.9,41.5 106.41,41.5 arc(105.43,41.69) 104.6,42.25 104.13,42.71 arc(103.82,42.92) 103.45,43
Net-(LED56-Pad2): length 14.4
  Bottom w0.35: 135.95,41.5 135.56,41.11 arc(135.13,40.83) 134.63,40.73 126.77,40.73 arc(125.29,41.02) 124.03,41.86 123.18,42.71 arc(122.87,42.92) 122.5,43
Net-(LED57-Pad2): length 13.8
  Bottom w0.35: 155,41.5 144.22,41.5 arc(143.24,41.69) 142.41,42.25 141.66,43
Net-(LED58-Pad2): length 15.9
  Bottom w0.35: LED59.4 172.26,41.56 arc(171.71,41.78) 171.48,42.34 arc(170.88,43.78) 169.43,44.38 164.16,44.38 arc(163.44,44.24) 162.83,43.84 arc(161.97,43.26) 160.95,43.06 LED58.2
Net-(LED59-Pad2): length 13.8
  Bottom w0.25: 179.76,43 180.51,42.25 arc(181.34,41.69) 182.32,41.5 193.1,41.5
Net-(LED60-Pad2): length 14.5
  Bottom w0.35: 212.15,41.5 211.74,41.09 arc(211.3,40.8) 210.78,40.69 203.02,40.69 arc(201.52,40.99) 200.25,41.84 199.38,42.71 arc(199.07,42.92) 198.7,43
Net-(LED61-Pad2): length 14.4
  Bottom w0.35: 231.15,41.5 230.75,41.09 arc(230.31,40.8) 229.78,40.69 222.07,40.69 arc(220.57,40.99) 219.3,41.84 218.43,42.71 arc(218.12,42.92) 217.75,43
Net-(LED62-Pad2): length 14.8
  Bottom w0.35: 236.4,43 237.23,43 arc(237.99,42.84) 238.64,42.41 239.21,41.84 arc(240.48,40.99) 241.99,40.69 248.88,40.69 arc(249.4,40.8) 249.84,41.09 250.25,41.5
Net-(LED63-Pad2): length 279.6
  Bottom w0.35: 9.74,22.44 7.21,22.44 arc(4.12,23.73) 2.83,26.83 2.83,32.23 arc(3.95,34.92) 6.64,36.03 242.8,36.03 arc(243.57,35.88) 244.22,35.45 245.75,33.92 arc(246.89,33.15) 248.25,32.88 arc(249.6,33.15) 250.74,33.92 252.31,35.49 arc(253.29,36.14) 254.45,36.37 254.8,36.37 arc(255.63,36.54) 256.33,37 arc(256.79,37.7) 256.96,38.53 256.96,41.78 arc(256.87,42.24) 256.6,42.64 256.53,42.71 arc(256.22,42.92) 255.85,43
Net-(LED64-Pad2): length 17.2
  Bottom w0.35: 31.17,22.44 30.79,22.06 arc(30.36,21.78) 29.86,21.68 20.16,21.68 arc(18.68,21.97) 17.42,22.81 16.77,23.47 arc(16.24,23.82) 15.62,23.94 14.94,23.94
Net-(LED65-Pad2): length 14.4
  Bottom w0.35: 50.22,22.44 49.84,22.06 arc(49.41,21.78) 48.91,21.68 41.04,21.68 arc(39.56,21.97) 38.3,22.81 37.45,23.66 arc(37.14,23.87) 36.77,23.94
Net-(LED66-Pad2): length 14.4
  Bottom w0.35: 69.27,22.44 68.9,22.07 arc(68.49,21.8) 68,21.7 60.15,21.7 arc(58.68,21.99) 57.44,22.82 56.63,23.63 arc(56.28,23.86) 55.87,23.94
Net-(LED67-Pad2): length 14.3
  Bottom w0.35: 88.32,22.44 87.94,22.06 arc(87.51,21.78) 87.01,21.68 79.36,21.68 arc(77.88,21.97) 76.62,22.81 75.85,23.58 arc(75.45,23.85) 74.98,23.94
Net-(LED68-Pad2): length 14.2
  Bottom w0.35: 107.37,22.44 106.99,22.06 arc(106.56,21.78) 106.06,21.68 98.58,21.68 arc(97.1,21.97) 95.85,22.81 95.13,23.52 arc(94.67,23.84) 94.12,23.94
Net-(LED69-Pad2): length 14.8
  Bottom w0.35: 112.57,23.94 113.43,23.94 arc(114.23,23.79) 114.9,23.34 115.42,22.81 arc(116.68,21.97) 118.16,21.68 125.11,21.68 arc(125.61,21.78) 126.04,22.06 126.42,22.44
Net-(LED70-Pad2): length 14.8
  Bottom w0.35: 131.62,23.94 132.26,23.94 arc(132.84,23.83) 133.34,23.5 134.02,22.81 arc(135.28,21.97) 136.76,21.68 144.16,21.68 arc(144.66,21.78) 145.09,22.06 145.47,22.44
Net-(LED71-Pad2): length 14.8
  Bottom w0.35: 164.52,22.44 164.14,22.06 arc(163.71,21.78) 163.21,21.68 155.96,21.68 arc(154.48,21.97) 153.22,22.81 152.59,23.44 arc(152.04,23.81) 151.38,23.94 150.67,23.94
Net-(LED72-Pad2): length 14.3
  Bottom w0.35: 170.31,23.94 171.42,22.84 arc(172.65,22.01) 174.1,21.73 182.34,21.73 arc(182.81,21.82) 183.21,22.09 183.57,22.44
Net-(LED73-Pad2): length 14.3
  Bottom w0.35: 202.62,22.44 202.24,22.06 arc(201.81,21.78) 201.31,21.68 193.78,21.68 arc(192.3,21.97) 191.05,22.81 190.32,23.54 arc(189.87,23.84) 189.34,23.94
Net-(LED74-Pad2): length 14.8
  Bottom w0.35: 207.82,23.94 208.46,23.94 arc(209.04,23.83) 209.54,23.5 210.22,22.81 arc(211.48,21.97) 212.96,21.68 220.36,21.68 arc(220.86,21.78) 221.29,22.06 221.67,22.44
Net-(LED75-Pad2): length 33.3
  Bottom w0.35: 226.87,23.94 227.69,23.94 arc(228.45,23.79) 229.09,23.36 229.65,22.81 arc(230.9,21.97) 232.38,21.68 236.21,21.68 arc(239.39,22.31) 242.09,24.12 242.32,24.35 arc(244.02,25.49) 246.04,25.88 246.64,25.88 arc(248.24,25.57) 249.6,24.66 249.97,24.29 arc(252.01,22.92) 254.42,22.44 257.39,22.44
Net-(LED76-Pad2): length 55.1
  Bottom w0.35: 262.59,23.94 262.87,24.23 arc(263.18,24.44) 263.55,24.51 306.05,24.51 arc(307.4,24.24) 308.54,23.48 arc(309.68,22.71) 311.03,22.44 316.92,22.44
Net-(LED77-Pad2): length 352.4
  Bottom w0.35: LED78.4 5.27,3.45 arc(3.48,4.2) 2.73,5.99 2.73,12.53 arc(3.32,13.95) 4.73,14.53 5.82,14.53 arc(7.13,14.79) 8.23,15.53 8.78,16.09 arc(9.91,16.84) 11.23,17.1 68.7,17.1 arc(70.79,16.69) 72.55,15.51 73.76,14.29 arc(75.53,13.11) 77.61,12.7 85.7,12.7 arc(87.79,13.11) 89.55,14.29 91.36,16.11 arc(93.13,17.29) 95.21,17.7 142.1,17.7 arc(144.19,17.29) 145.95,16.11 147.76,14.29 arc(149.53,13.11) 151.61,12.7 181.9,12.7 arc(183.99,13.11) 185.75,14.29 187.03,15.57 arc(188.79,16.75) 190.88,17.16 275.5,17.16 arc(275.98,17.26) 276.39,17.53 arc(276.8,17.8) 277.28,17.9 322.93,17.9 arc(324.79,18.67) 325.56,20.52 325.56,21.07 arc(324.72,23.1) 322.68,23.94
Net-(LED78-Pad2): length 19
  Bottom w0.35: 14.94,4.9 19.18,4.9 arc(20.16,4.7) 20.99,4.15 arc(21.82,3.59) 22.8,3.4 33.55,3.4
Net-(LED79-Pad2): length 19.6
  Bottom w0.35: 38.75,4.9 40.29,4.9 arc(41.72,4.61) 42.92,3.81 43.02,3.71 arc(44.33,2.83) 45.88,2.53 56.58,2.53 arc(56.88,2.58) 57.13,2.76 57.22,2.84 arc(57.33,3) 57.36,3.19
Net-(LED80-Pad2): length 67.8
  Bottom w0.35: 62.56,4.9 63.6,4.9 arc(64.41,5.06) 65.09,5.51 arc(65.77,5.97) 66.58,6.13 106.56,6.13 arc(108.64,5.72) 110.41,4.54 110.71,4.23 arc(112.48,3.05) 114.56,2.63 127.5,2.63 arc(128,2.73) 128.42,3.01 128.8,3.4
Net-(LED81-Pad2): length 71
  Bottom w0.35: 200.24,3.4 190.32,3.4 arc(188.23,3.81) 186.47,4.99 183.15,8.31 arc(181.39,9.49) 179.3,9.9 169.01,9.9 arc(166.93,9.49) 165.16,8.31 161.95,5.09 arc(160.19,3.91) 158.1,3.5 140.1,3.5 arc(139.19,3.68) 138.42,4.2 arc(137.65,4.71) 136.74,4.9 134,4.9
Net-(LED82-Pad2): length 19.6
  Bottom w0.35: 205.44,4.9 206.91,4.9 arc(208.27,4.62) 209.42,3.85 209.57,3.71 arc(210.88,2.83) 212.43,2.53 222.57,2.53 arc(223.13,2.64) 223.62,2.96 224.05,3.4
Net-(LED83-Pad2): length 19
  Bottom w0.35: 229.25,4.9 231.61,4.9 arc(232.59,4.7) 233.42,4.15 arc(234.25,3.59) 235.23,3.4 247.86,3.4
Net-(LED84-Pad2): length 19
  Bottom w0.35: 253.06,4.9 254.46,4.9 arc(255.44,4.7) 256.27,4.15 arc(257.1,3.59) 258.08,3.4 271.68,3.4
Net-(LED85-Pad2): length 22.4
  Bottom w0.35: 276.88,4.9 279.66,4.9 279.86,4.89 280.25,4.85 280.64,4.78 281.02,4.66 281.39,4.51 281.74,4.32 282.07,4.1 282.38,3.85 282.52,3.71 283.28,2.95 arc(284.34,2.24) 285.58,2 295.51,2 arc(296.4,2.17) 297.15,2.67 297.87,3.4
Net-(LED86-Pad2): length 14.8
  Bottom w0.35: 303.07,4.9 304.29,4.9 arc(305.41,4.67) 306.36,4.03 306.64,3.76 arc(307.9,2.92) 309.38,2.62 315.6,2.62 arc(316.11,2.72) 316.53,3.01 316.92,3.4
Net-(LED87-Pad2): length 14.8
  Bottom w0.35: 335.97,3.4 335.58,3.01 arc(335.16,2.72) 334.65,2.62 328.37,2.62 arc(326.88,2.92) 325.62,3.76 325.32,4.06 arc(324.4,4.68) 323.3,4.9 322.12,4.9
Net-(LEDRESISTOR1-Pad2): length 4
  Top w0.25: 164.44,154.58 162.39,154.58 arc(161.45,154.39) 160.66,153.86
Net-(RESISTOR0-Pad1): length 17.6
  Top w0.25: 174.68,148.1 174.68,146.46 v1(174.7,146.44)
  Bottom w0.25: 171.23,145.62 173.89,145.62 arc(174.47,145.86) v1(174.7,146.44) ; 160.67,150.33 161.19,149.81 arc(165.83,146.71) 171.3,145.62
Net-(RESISTOR1-Pad2): length 13.2
  Top w0.25: 171.68,148.1 171.68,146.69 arc(171.52,146.3) 171.13,146.13 ; 171.19,146.13 161.34,146.13 arc(160.86,146.33) 160.66,146.81

## Copper pours and planes (outline as drawn; the poured copper is in the pictures)
GND on Top: 142.53,148.31 8.1,148.31 8.1,155.53 142.53,155.53
GND on Top: 368.18,96.13 -12.2,96.13 -12.2,103.36 368.18,103.36
GND on Top, Bottom, In2.Cu: 347,0 0,0 0,156.1 347,156.1
VSYS on In1.Cu: 347.18,-0.02 -0.07,-0.02 -0.07,156.13 347.18,156.13

Small or netless copper shapes (teardrops, artwork), in the pictures only: 218 on Top, 369 on Bottom, 228 on In2.Cu

## Text on the board
Bottom: http://github.com/envious-data | REVISION 1.2
B.Silkscreen: LED Pin | Spare Pin
User.Comments: THIS IS INTENTIONAL
F.Silkscreen: env
